# Altium PCB FMC_DAC_125M_14B_16CHA.PcbDoc (part 1 of 9)
Units mm, origin at the board's own origin, x right, y up, seen from the top; angles counter-clockwise.
Board outline 77.15 x 69 mm, 8 copper layers (L1, P2, L3, P4, L5, P6, L7, L8), stack 1.438 mm thick; 612 components, 516 nets, 2304 pads, 1339 vias.
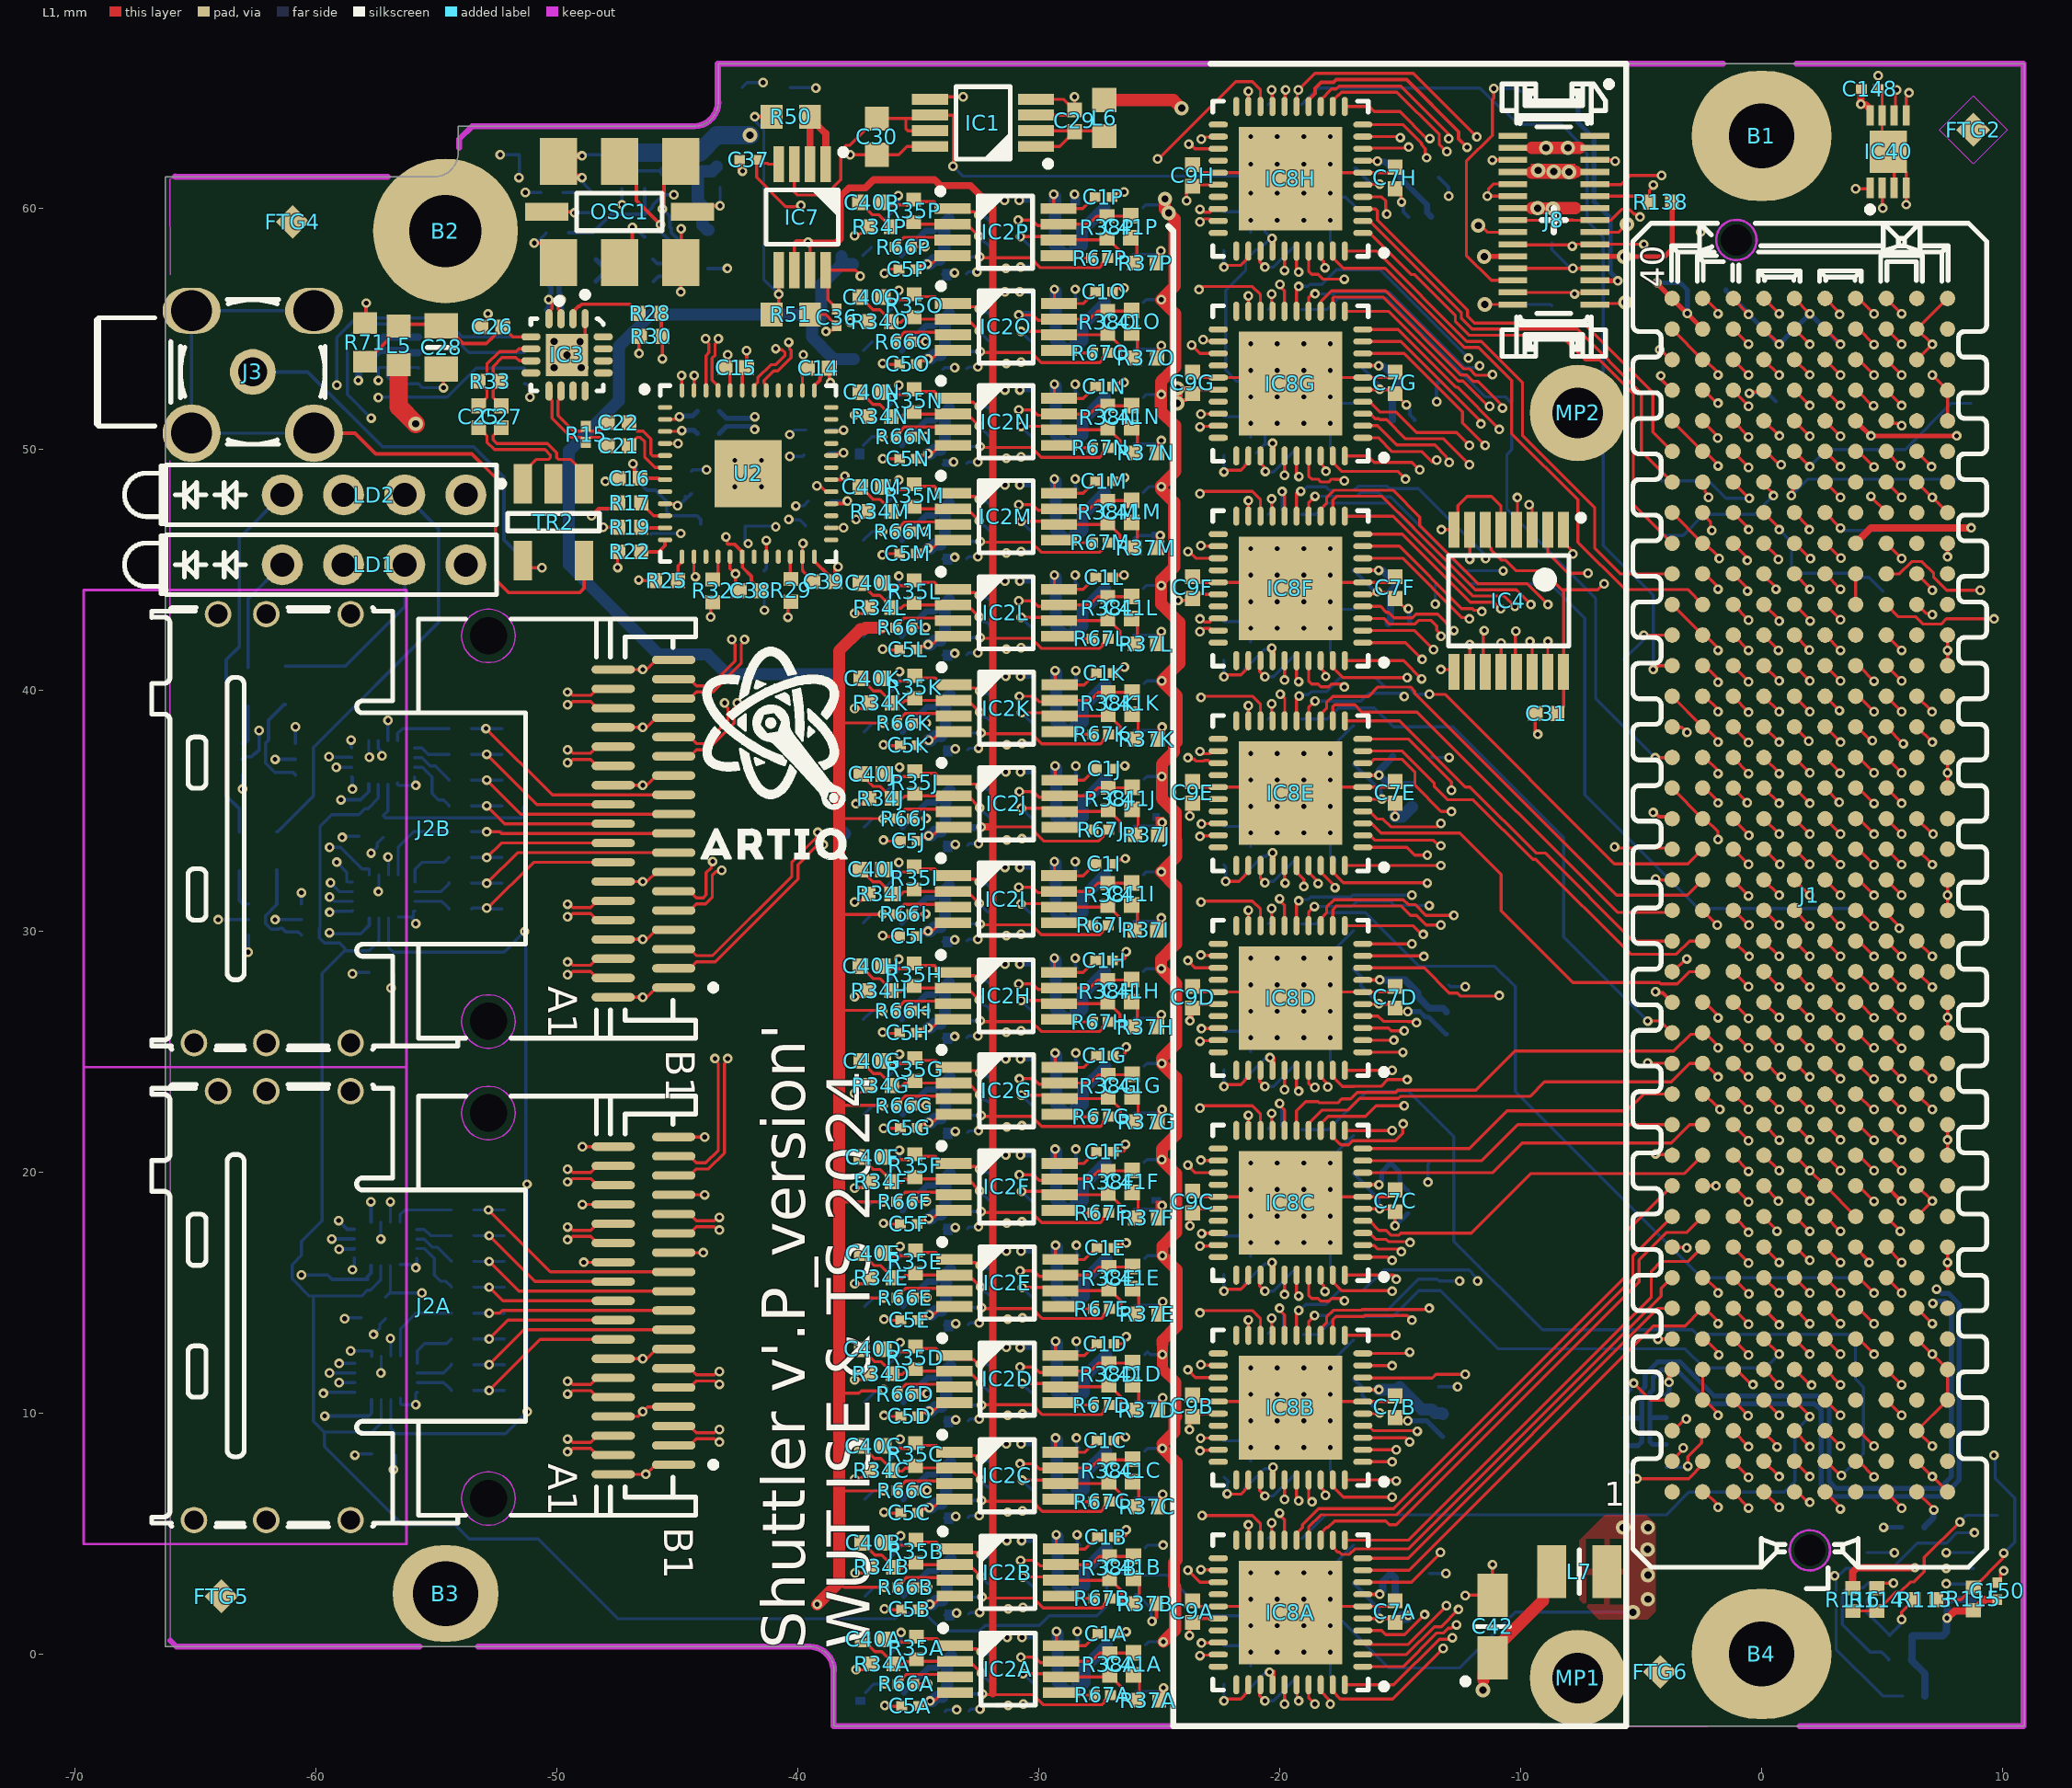
[diagram p0: L1 view]
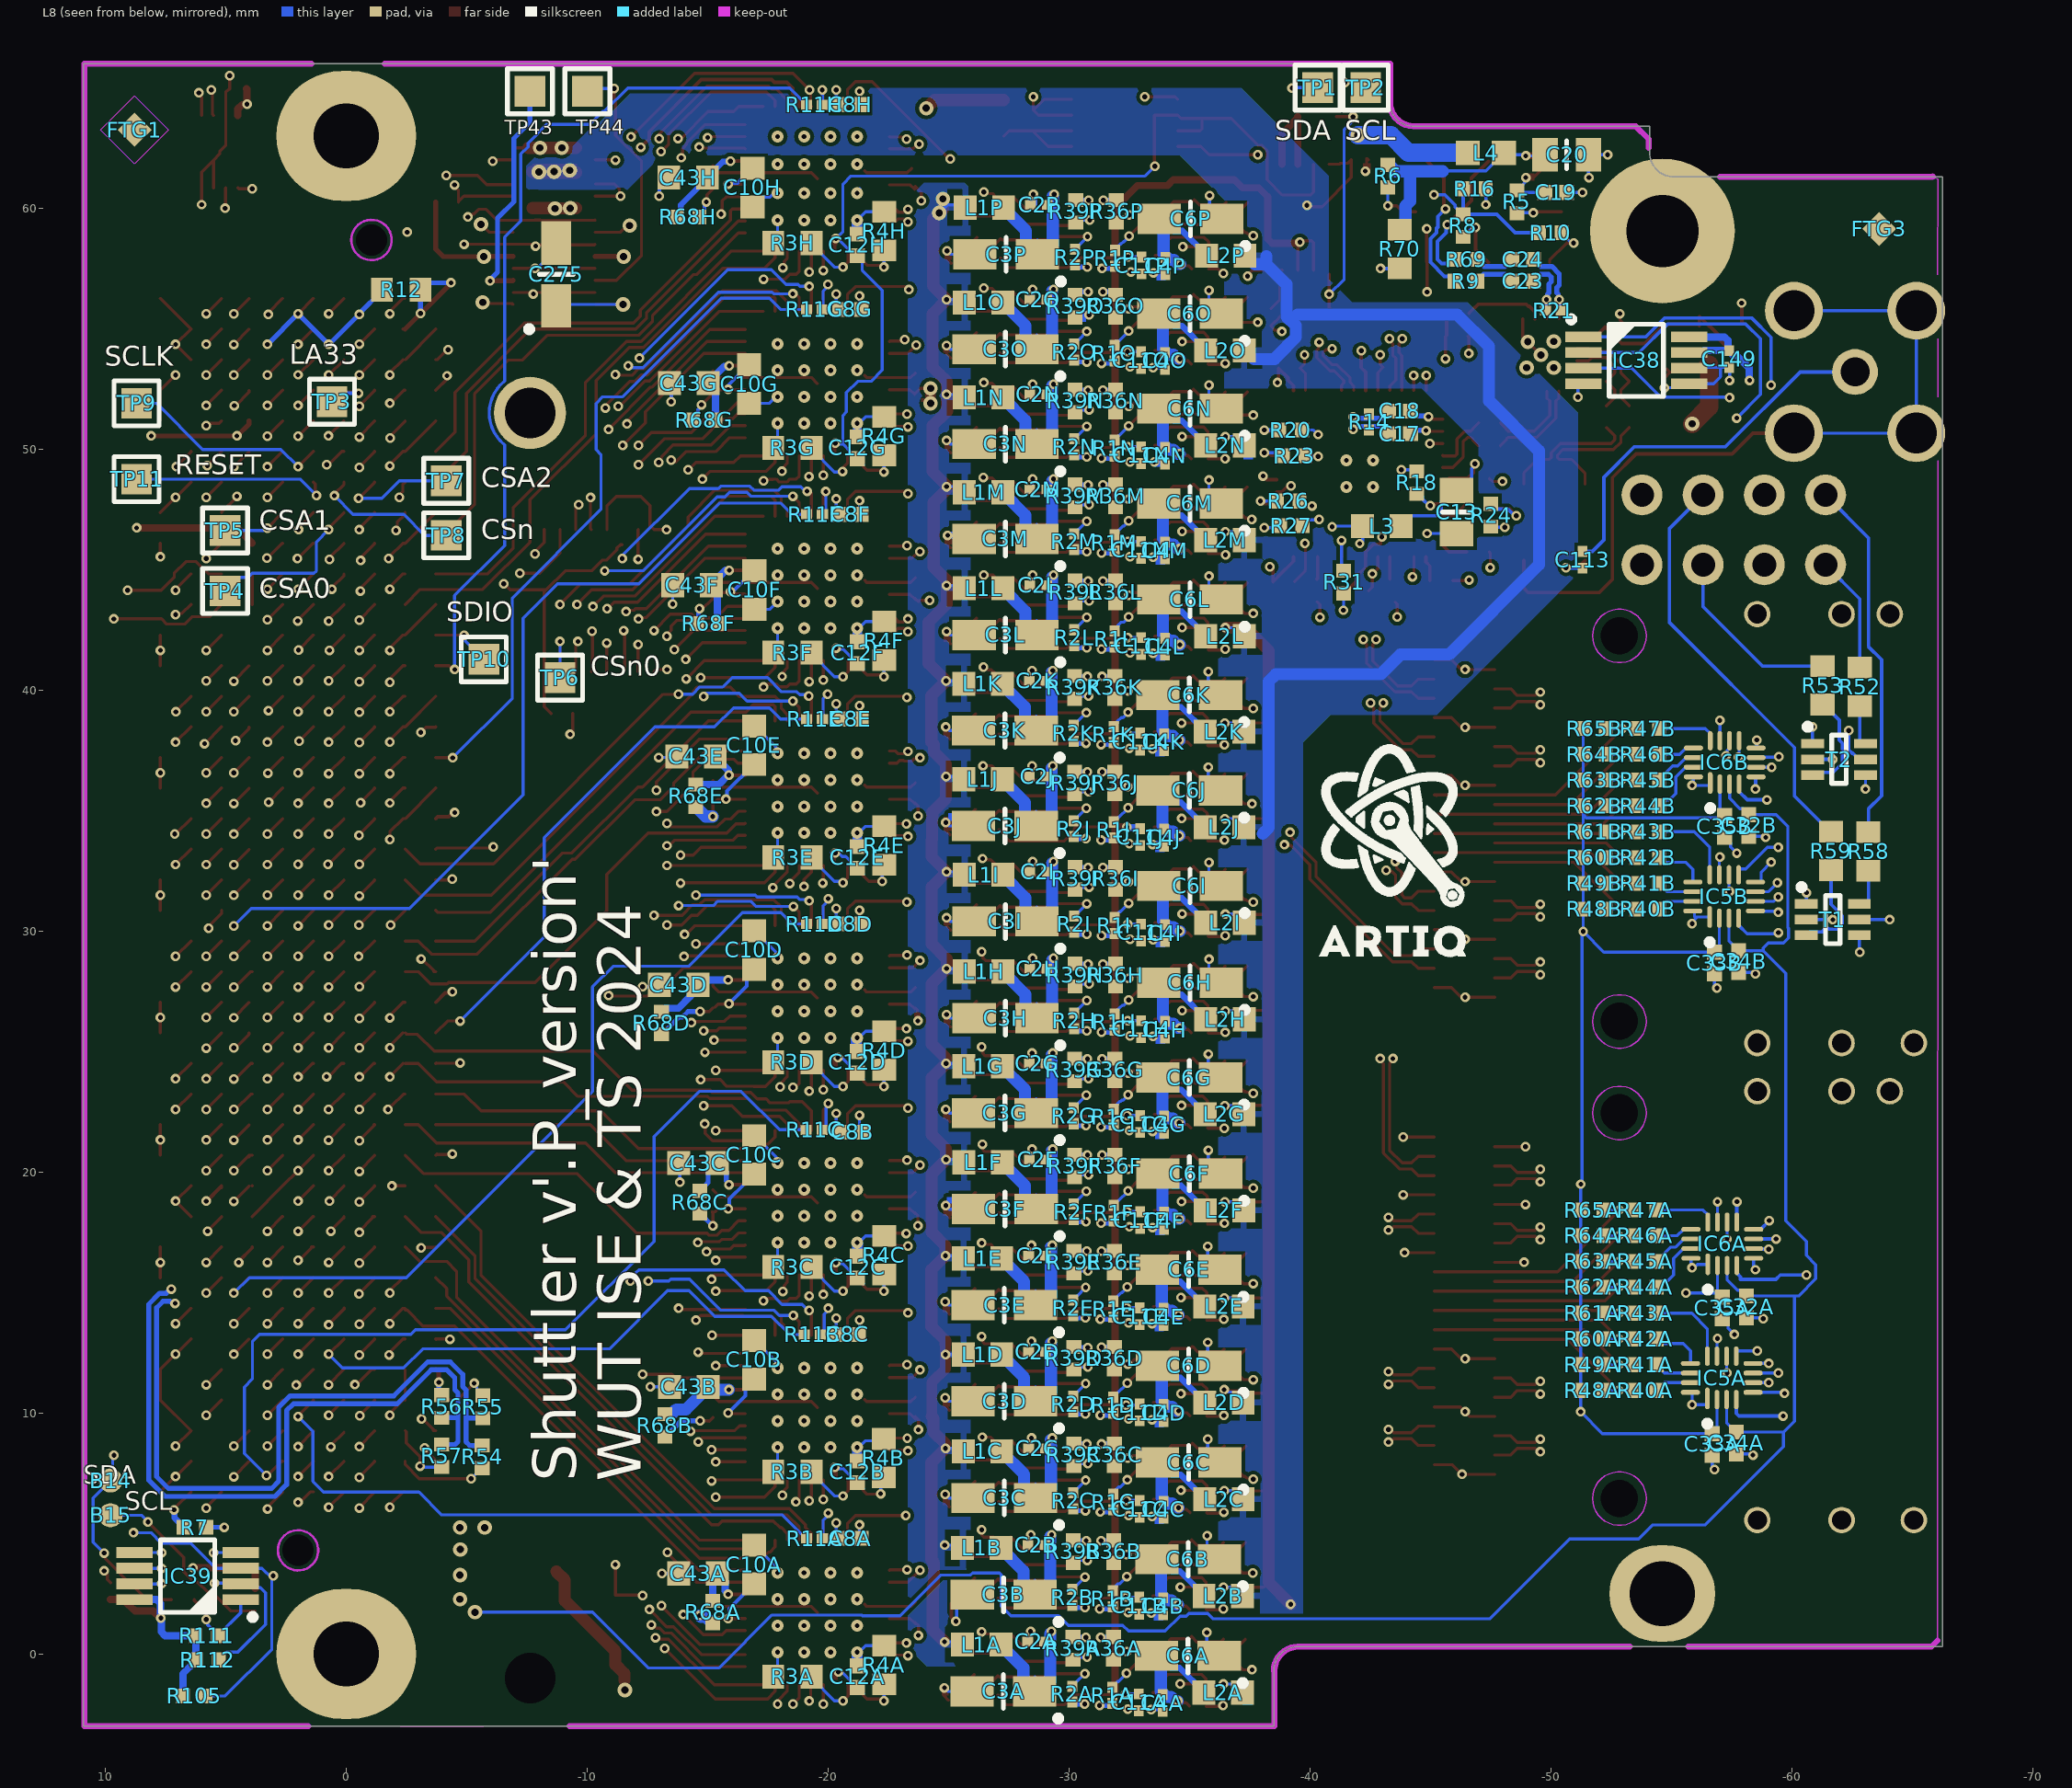
[diagram p1: L8 view, seen from below]
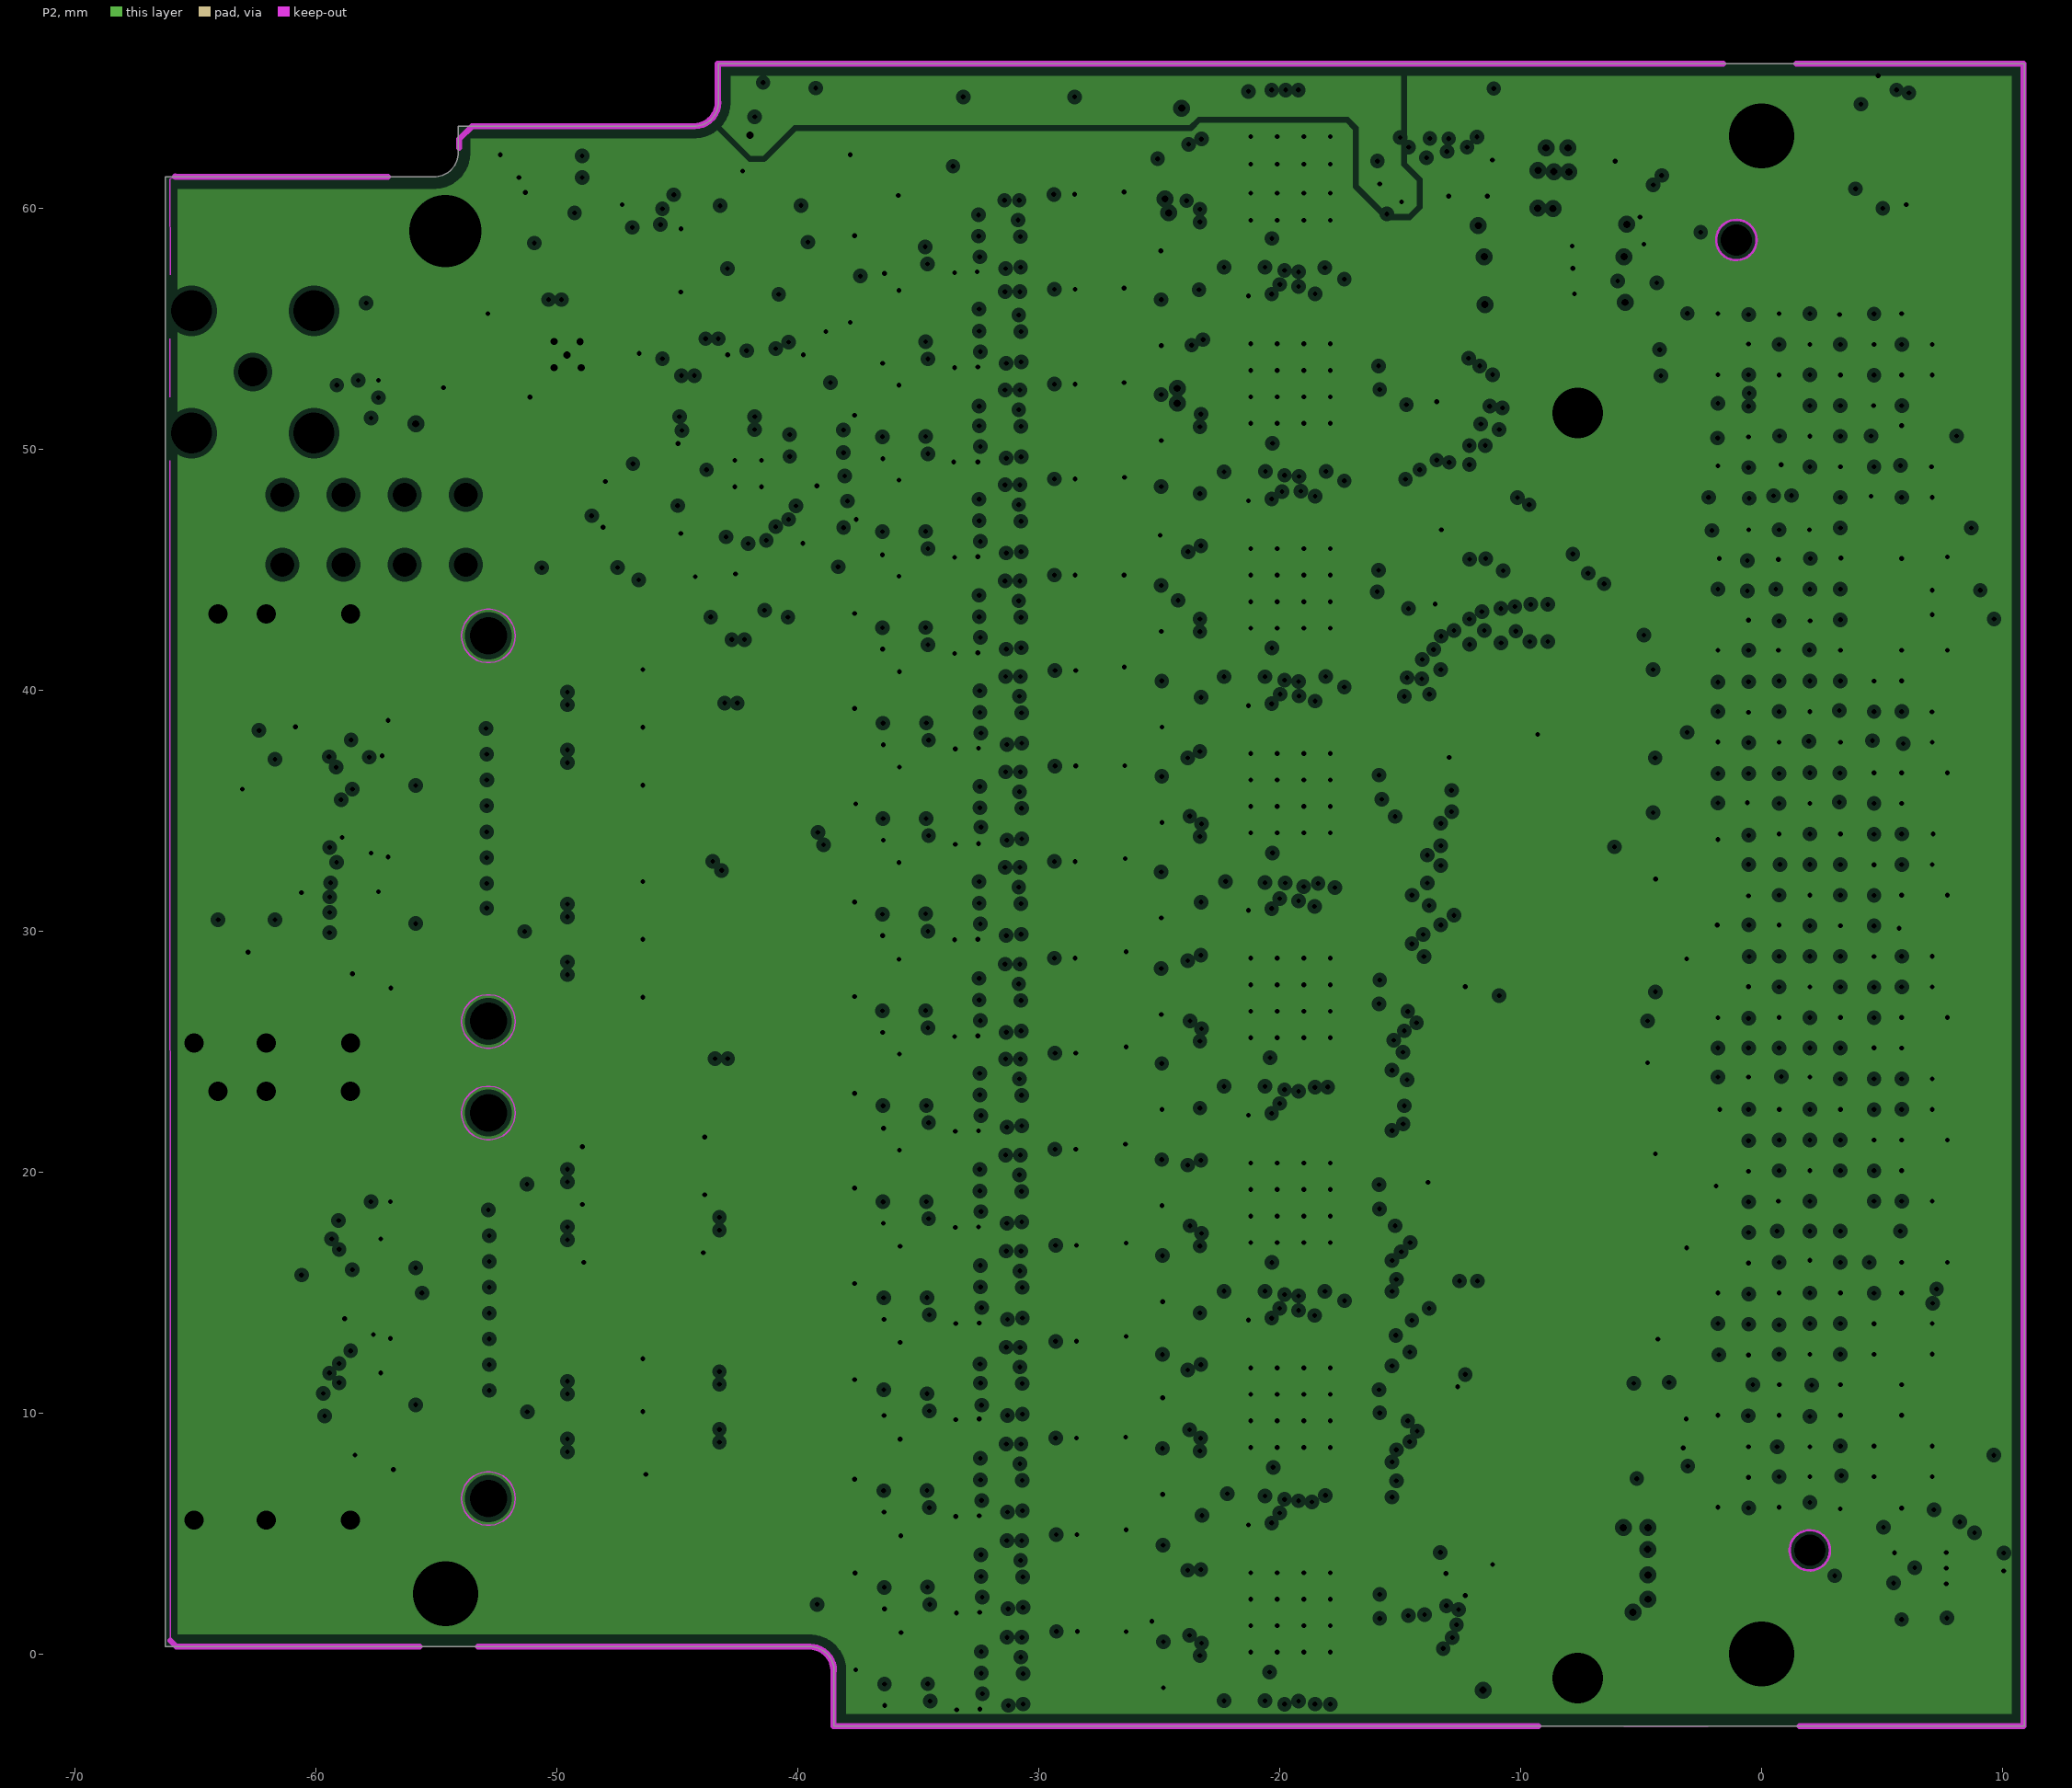
[diagram p2: P2, clearances drawn from the general rule]
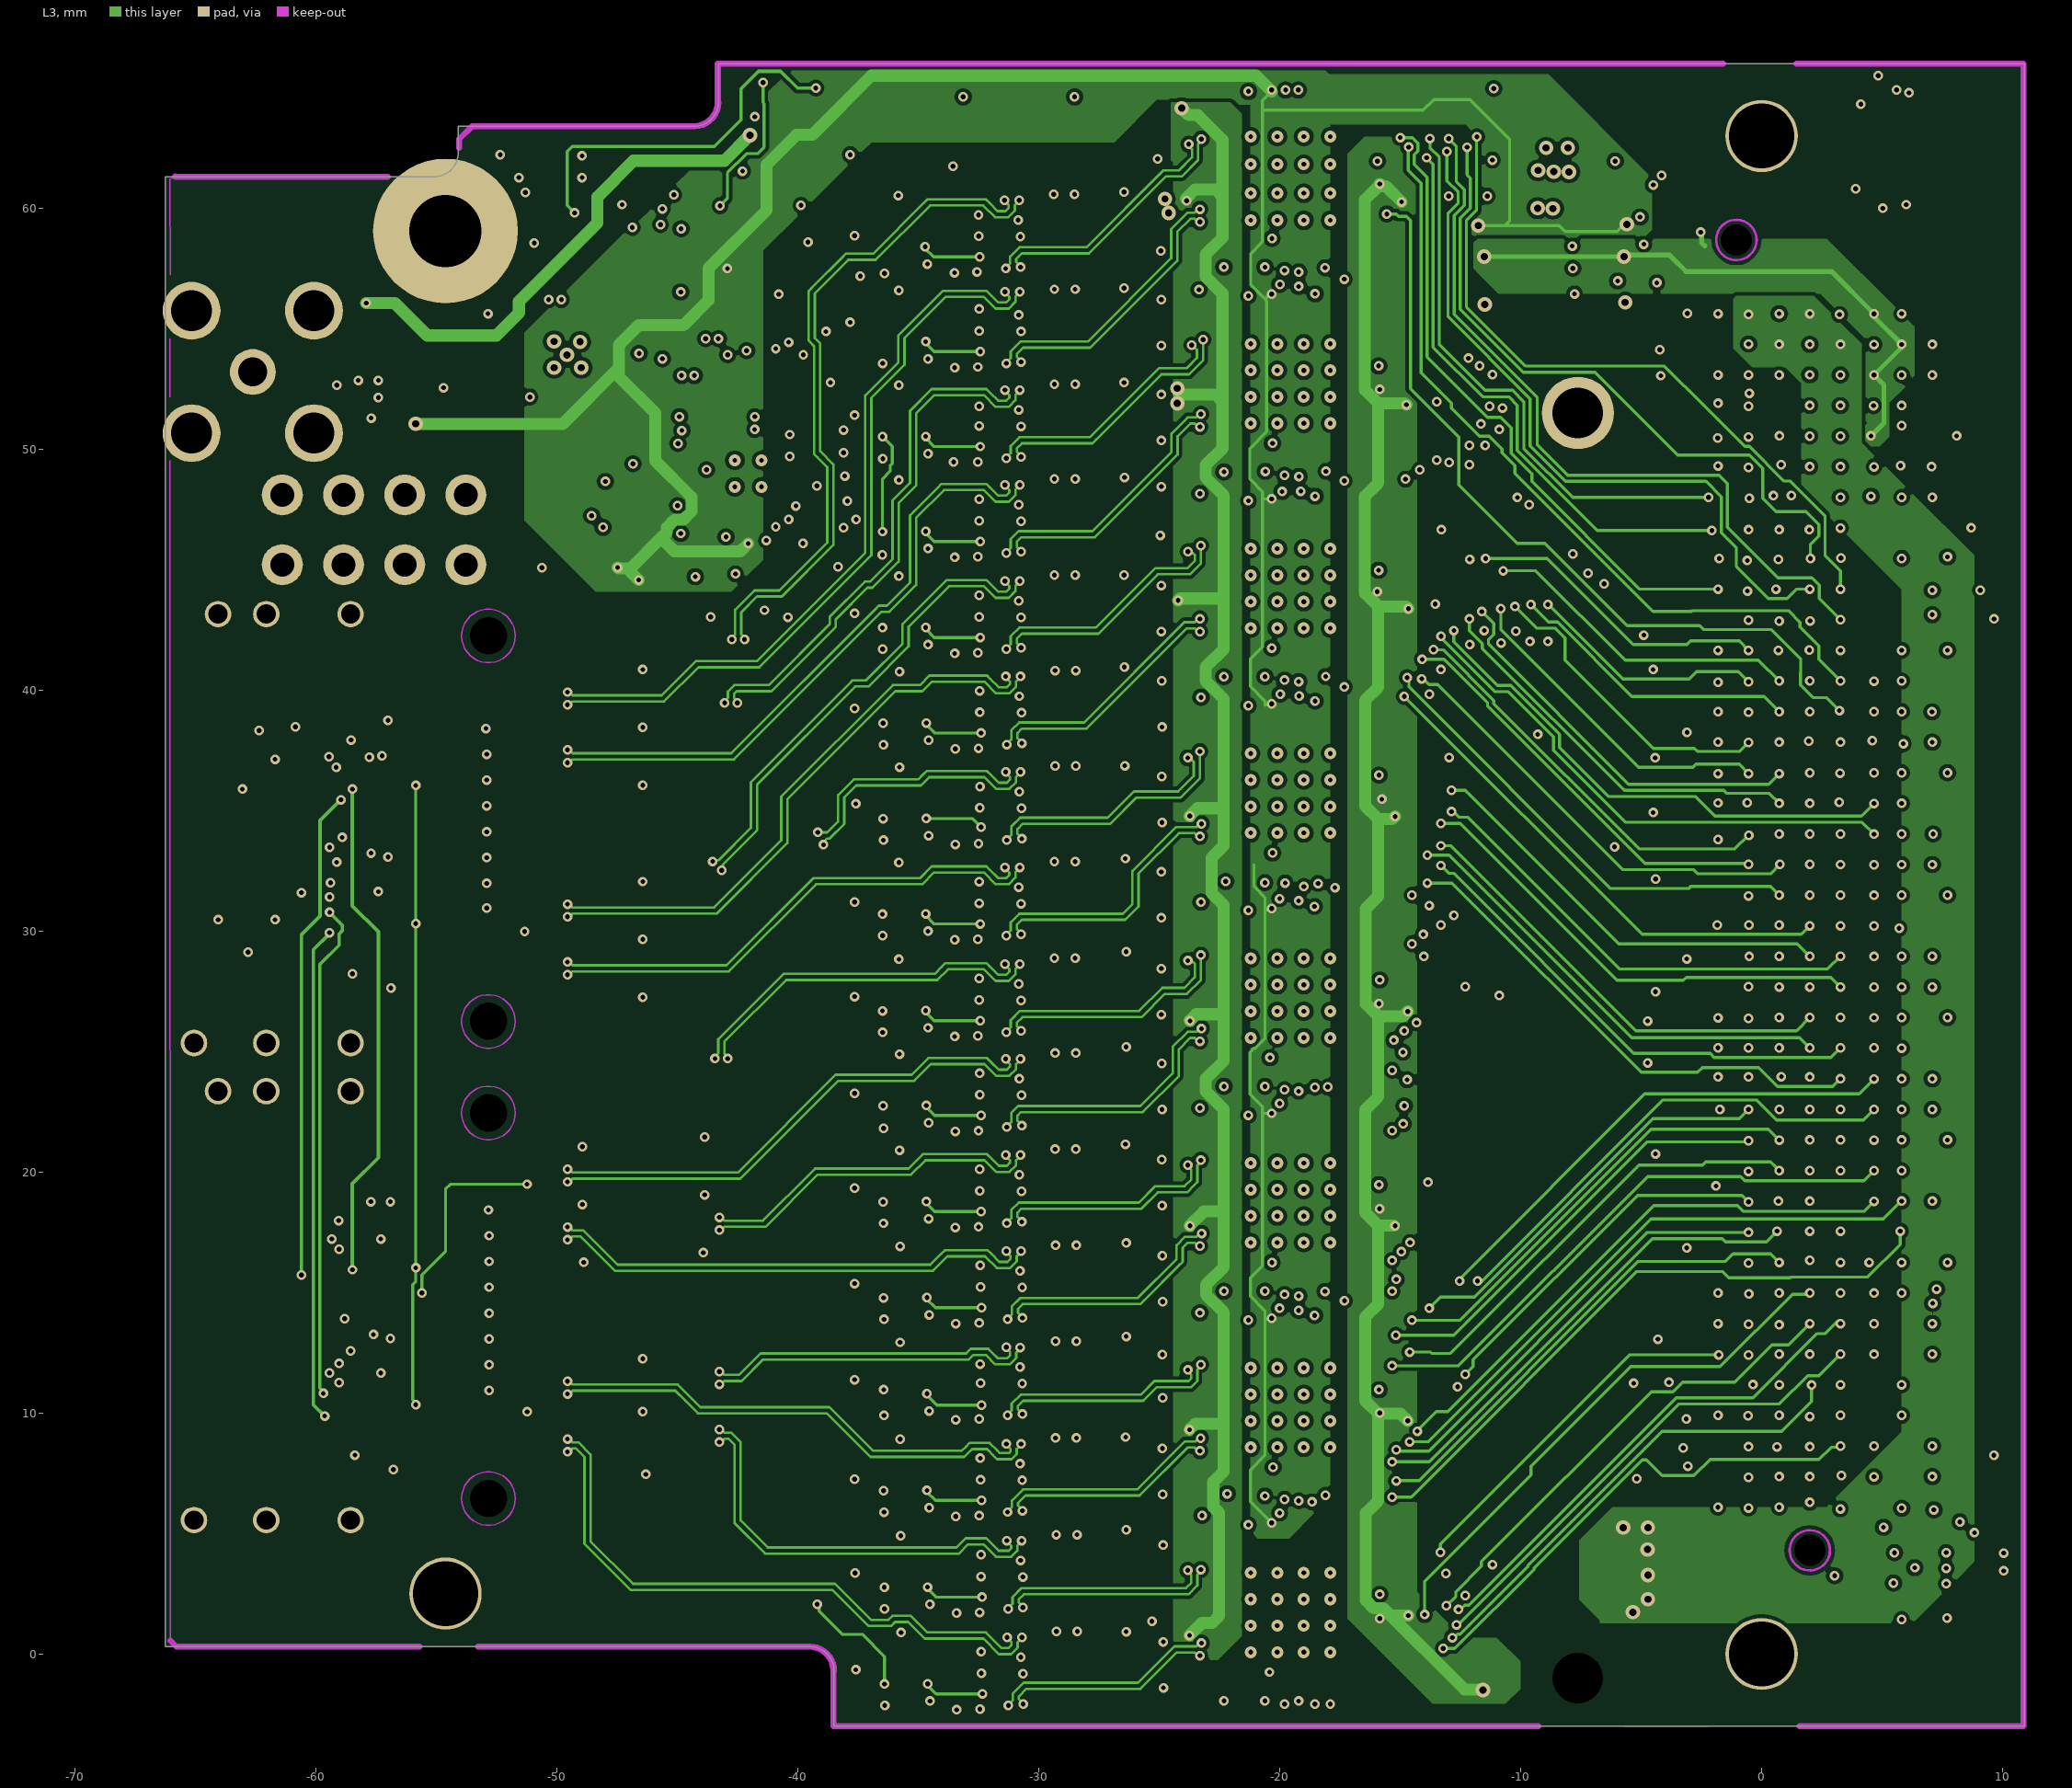
[diagram p3: L3]